# Altium PCB 6S_SERVO_MODULE.PcbDoc (part 2 of 2)
Units mm, origin at the board's own origin, x right, y up, seen from the top; angles counter-clockwise.
Board outline 69.5 x 39 mm, 4 copper layers (L01_SIG, L02_GND, L03_SIG, L04_GND), stack 0.603 mm thick; 92 components, 60 nets, 311 pads, 423 vias.
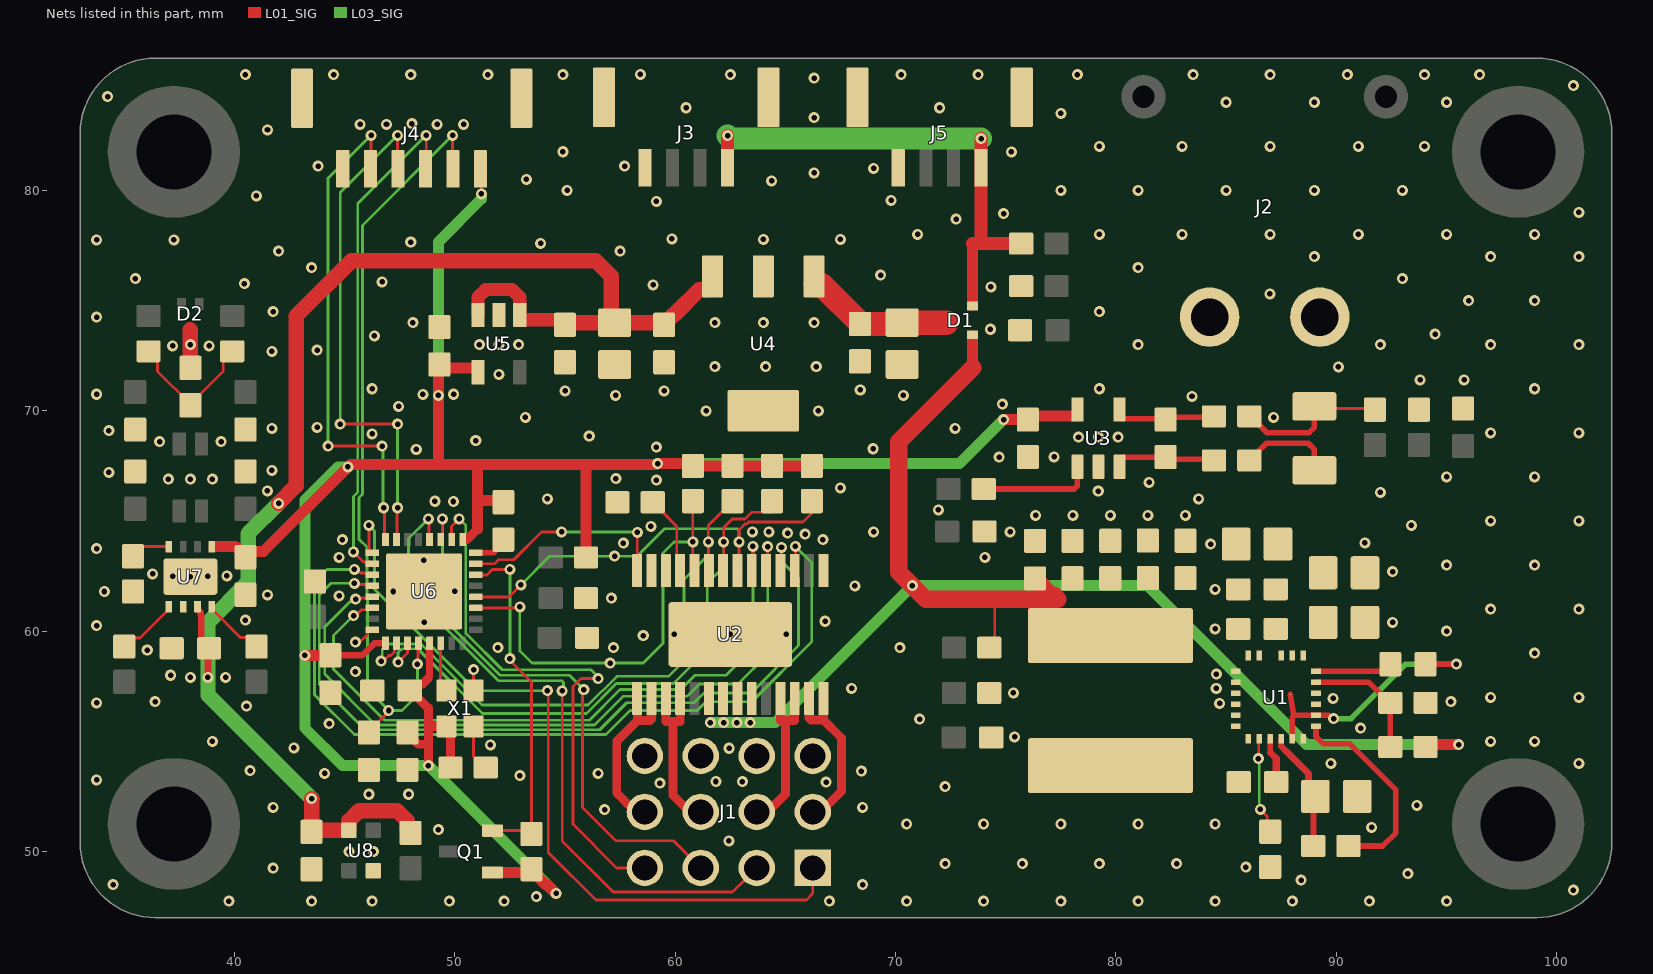
[diagram p4: the nets of this part, all layers, seen from the top]

## Via types
v1: diameter 0.5, hole 0.25, L01_SIG to L04_GND, tented both sides, 423 vias

## Nets (pads, with @x,y where several pads share a name; then routed paths per layer and width w, separated by ;. In a path a pad name is that pad's centre, name@x,y a point inside that pad or via, vN(x,y) a via of type N, cw(c..) or ccw(c..) an arc to the next point about the centre after c; other vN are vias at no path point) (continued)
GND: C2.1 C3.1 C4.1 C5.1 C6.1 C7.1 C8.1 C10.1 C11.1 C12.1 C13.1 C14.1 C15.1 C16.1 C17.1 C18.1 C19.1 C20.1 C21.1 C22.1 C23.1 C24.1 C25.1 C26.1 C27.1 C28.1 C29.1 C30.1 C31.1 C32.1 C33.1 C34.1 C35.1 C36.1 C37.1 C38.1 D2.3 J1.3 J1.6 J1.9 J1.12 J2.2 J3.4 J3.5 J3.6 J4.6 J4.7 J4.8 J5.4 J5.5 J5.6 R7.1 R14.1 R15.1 R16.1 R20.1 R21.1 R22.1 R27.1 R28.1 U1.3 U1.4 U1.12 U1.13 U1.14 U1.15 U1.23 U2.1 U2.12 U2.13 U2.29 U3.2 U4.2 U4.4 U5.2 U6.16 U6.32 U6.33 U7.2 U7.9 U8.2 X1.2 | length 5.4
  L01_SIG w0.127: v1(45.492,59.5) 45.564,59.571 45.769,59.571 46.025,59.827 46.025,59.969 46.111,60.056 U6.32@46.253,60.056 ; v1(50.85,58.25) 50.85,57.309 X1.2@50.853,57.306
  L01_SIG w0.254: U6.16@50.953,63.556 51.749,63.556 52.3,64.106 C29.1@52.3,64.15
  L01_SIG w0.7: C34.1@38,71.95 v1(38,73) 38,73.675
  other v1: 39.75,47.75 43.5,47.75 46.25,47.75 49.75,47.75 52.241,47.751 67,47.75 70.5,47.75 74,47.75 77.5,47.75 81,47.75 84.5,47.75 88,47.75 91.5,47.75 95,47.75 53.7,47.95 100.75,48.25 34.5,48.5 68.5,48.5 88.4,48.7 93.25,49 41.75,49.25 85.897,49.294 72.25,49.45 75.75,49.45 79.25,49.45 82.75,49.45 45.2,50 46.3,50 62.439,50.486 49.25,51 91.6,51.1 70.5,51.25 74,51.25 77.5,51.25 81,51.25 84.5,51.25 56.8,51.9 41.75,52 68.5,52 93.65,52.1 46.1,52.6 47.9,52.6 72.25,52.95 59.3,53.1 63.045,53.169 66.85,53.15 61.849,53.178 33.75,53.25 52.95,53.45 44.095,53.55 56.5,53.55 68.45,53.65 40.713,53.671 89.75,54 101,54 62.449,54.687 42.7,54.7 51.617,54.839 39,55 97,55 99,55 75.4,55.2 91.1,55.6 44.3,55.8 71.096,56.007 40.547,56.603 84.7,56.721 33.75,56.75 36.4,56.8 95.2,56.8 89.85,56.95 97,57 101,57 75.35,57.2 68,57.4 84.55,57.4 38,57.9 39.6,57.9 37.1,58 84.555,58.055 45.492,58.163 99,59 36.044,59.142 51.95,59.25 57.2,59.25 70.2,59.25 58.55,59.8 59.954,59.85 62.501,59.85 65.048,59.85 95,60 84.5,60.1 33.75,60.25 48.609,60.402 92.55,60.4 66.8,60.45 40.5,60.5 97,61 101,61 57.1,61.5 44.75,61.6 41.5,61.65 34.1,61.8 47.2,61.8 50.006,61.811 84.5,61.9 68.15,62.05 38,62.475 37.2,62.5 38.8,62.5 39.66,62.505 36.29,62.604 92.55,62.7 95,63 99,63 48.598,63.209 44.75,63.35 74.047,63.344 33.75,63.75 84.3,63.95 57.65,64 91.296,64.007 44.9,64.15 66.7,64.15 65.9,64.4 65.1,64.45 63.5,64.5 64.25,64.5 69,64.5 75.2,64.5 58.9,64.75 93.4,64.8 97,65 101,65 76.35,65.25 78.05,65.25 79.75,65.25 81.45,65.25 83.15,65.25 71.946,65.507 49.091,65.895 49.934,65.883 54.2,66 83.75,66 92,66.3 79.196,66.357 41.489,66.364 67.5,66.5 81.5,66.75 59.15,66.85 37,66.9 38,66.9 39,66.9 57.31,66.924 95,67 99,67 34.3,67.2 41.7,67.3 74.7,67.9 77.196,67.907 48.25,68.25 68.98,68.277 59.15,68.35 36.6,68.6 39.4,68.6 50.95,68.65 78.3,68.8 79.2,68.8 80.1,68.8 56.1,68.85 46.25,68.95 97,69 101,69 34.3,69.1 41.7,69.2 72.7,69.2 43.75,69.25 53.2,69.7 87.15,69.7 61.4,70 66.5,70 47.45,70.2 74.85,70.3 83.45,70.65 57.3,70.7 70.35,70.7 33.75,70.75 48.547,70.744 49.95,70.75 55,70.9 59.5,70.9 68.397,70.944 46.25,71 79.25,71 99,71 93.8,71.4 95.8,71.4 52,71.65 90.097,71.994 61.8,72 64.1,72 66.4,72 41.7,72.7 43.75,72.75 37.197,72.944 38.85,72.95 51.115,73 52,73 52.9,73 81,73 92,73 97,73 101,73 46.35,73.4 94.481,73.473 74.3,73.7 48.1,74 61.8,74 64,74 66.3,74 33.75,74.25 41.75,74.5 79.25,74.5 96,75 99,75 86.987,75.305 74.32,75.618 59,75.717 40.45,75.77 46.7,75.85 35.5,76 93,76 69.325,76.16 43.5,76.5 81,76.5 89,77 97,77 101,77 42,77.25 57.5,77.25 53.897,77.594 48,77.65 33.75,77.75 37.25,77.75 64,77.781 67.5,77.781 59.85,77.8 71,78 79.25,78 83,78 87,78 91,78 95,78 99,78 72.75,78.7 74.9,78.95 101,79 59.15,79.5 69.8,79.55 41,79.75 55.1,80 77.5,80 81,80 85,80 89,80 93,80 64.378,80.435 53.25,80.5 66.3,80.8 69,81 43.8,81.1 57.7,81.1 54.899,81.754 75.25,81.75 79.25,82 83,82 87,82 91,82 94,82 41.5,82.75 45.7,83 46.9,83 49.2,83 50.4,83 48.053,83.027 66.3,83.3 77.5,83.5 60.5,83.75 72,83.75 85,84 89,84 95,84 34.25,84.25 100.75,84.75 66.3,85.1 40.5,85.25 44.5,85.25 48,85.25 51.5,85.25 54.899,85.254 62.5,85.25 70.25,85.25 73.75,85.25 78.25,85.25 83.5,85.25 87,85.25 90.5,85.25 94,85.25 96.5,85.25 58.415,85.262
HSE_8MHZ: U6.6 X1.3 | length 2.3
  L01_SIG w0.127: U6.6@49.353,59.456 49.353,57.581 X1.3@49.628,57.306
NEOPIXEL: Q1.S R30.1 U6.14 | length 15.9
  L01_SIG w0.127: U6.14@50.953,62.556 50.956,62.553 51.453,62.553 51.7,62.8 v1(52.5,62.8) ; Q1.S@51.7,50.95 53.375,50.95 R30.1@53.475,50.85 ; v1(52.5,58.75) 52.5,58.674 53.475,57.699 R30.1@53.475,50.8
  L03_SIG w0.127: v1(52.5,58.75) v1(52.5,62.8)
NetC9_1: C9.1 R4.1 U3.4 | length 4.7
  L01_SIG w0.254: U3.4@80.155,70.063 80.155,69.794 80.303,69.646 82.204,69.646 C9.1@82.25,69.6 82.35,69.7 84.4,69.7 R4.1@84.45,69.75
NetC9_2: C9.2 R5.1 U3.3 | length 4.7
  L01_SIG w0.254: U3.3@80.155,67.463 80.155,67.737 80.303,67.885 C9.2@82.235,67.885 ; C9.2@82.25,67.9 82.35,67.8 84.4,67.8 R5.1@84.45,67.75
NetC34_2: C34.2 R25.1 R26.1 | length 6.4
  L01_SIG w0.127: R26.1@36.1,72.7 36.511,72.289 36.511,71.789 38,70.3 39.488,71.788 39.488,72.289 R25.1@39.9,72.7
NetR9_1: R9.1 U3.1 | length 5.2
  L01_SIG w0.254: R9.1@74,66.45 78.1,66.45 78.25,66.6 78.25,67.458 U3.1@78.255,67.463
NetR16_2: R16.2 U2.11 | length 3.6
  L01_SIG w0.127: R16.2@58.977,65.85 59.02,65.85 59.456,65.414 59.456,65.371 60.069,64.757 60.069,62.906 U2.11@60.225,62.75
NetR27_2: R27.2 U7.8 | length 1.8
  L01_SIG w0.127: R27.2@35.4,63.4 R27.2@35.4,63.4 35.836,63.837 U7.8@37.025,63.837
NetR29_1: R29.1 X1.1 | length 2.1
  L01_SIG w0.127: X1.1@50.853,55.681 50.853,54.312 51.359,53.806 R29.1@51.403,53.806
NRST: C35.2 J4.2 U6.4 | length 35.2
  L01_SIG w0.127: C35.2@46.103,55.406 46.103,55.462 47,56.359 v1(47,56.4) ; v1(48.3,58.5) 48.327,58.527 48.327,59.429 U6.4@48.353,59.456 ; v1(49.9,82.5) 49.9,81.097 J4.2@49.918,81.079
  L03_SIG w0.127: v1(48.3,58.5) 48.3,57.1 47.6,56.4 v1(47,56.4) 46.043,57.357 46.043,61.674 46.008,61.708 46.008,63.82 45.657,64.17 45.657,66.059 45.808,66.21 45.808,68.766 45.807,68.767 45.807,78.407 v1(49.9,82.5)
PWM_1: J1.10 U6.18 | length 24.9
  L01_SIG w0.127: U6.18@49.853,64.156 49.853,64.753 v1(50.2,65.1) ; v1(56.5,57.85) 55.724,57.85 55.357,57.483 55.357,51.243 57.34,49.26 J1.10@58.62,49.26
  L03_SIG w0.127: v1(50.2,65.1) 50.5,64.8 50.5,59.9 52.15,58.25 56.187,58.25 56.5,57.937 v1(56.5,57.85)
PWM_2: J1.7 U6.19 | length 25.1
  L01_SIG w0.127: U6.19@49.353,64.156 49.431,64.233 49.431,65.09 v1(49.44,65.1) ; v1(55.85,57.35) 55.8,57.3 55.8,52 57.315,50.485 59.935,50.485 J1.7@61.16,49.26
  L03_SIG w0.127: v1(49.44,65.1) 49.44,60.61 52.05,58 55.2,58 v1(55.85,57.35)
PWM_3: J1.4 U6.20 | length 30.6
  L01_SIG w0.127: v1(48.8,65.1) 48.83,65.07 48.83,64.179 U6.20@48.853,64.156 ; v1(54.87,57.289) 54.87,50.48 57.19,48.16 62.6,48.16 63.202,48.762 63.698,48.762 J1.4@63.7,48.76
  L03_SIG w0.127: v1(48.8,65.1) 47.9,64.2 47.9,61.826 51.976,57.75 54.854,57.75 54.928,57.676 54.928,57.347 v1(54.87,57.289)
PWM_4: J1.1 U6.25 | length 35.6
  L01_SIG w0.127: v1(46.1,64.8) 46.1,63.642 46.186,63.556 U6.25@46.253,63.556 ; v1(54.2,57.3) 54.238,57.262 54.238,49.962 56.4,47.8 65.95,47.8 66.24,48.09 J1.1@66.24,49.26
  L03_SIG w0.127: v1(46.1,64.8) 46.1,64.789 46.35,64.539 46.35,61.9 50.95,57.3 v1(54.2,57.3)
PWR_3V3: C7.2 C21.2 C26.2 C27.2 C28.2 C29.2 C37.2 J4.1 Q1.G R10.2 R11.2 R12.2 R13.2 R18.2 R29.2 R30.2 U3.5 U5.4 U6.1 U6.5 U6.17 U7.5 X1.4 | length 120.6
  L01_SIG w0.127: v1(51.2,79.843) J4.1@51.2,81.047
  L01_SIG w0.3: C28.2@44.348,58.9 C28.2@44.353,58.906 45.806,58.906 46.356,59.456 U6.1@46.853,59.456 ; 48.778,57.853 48.828,57.903 48.828,57.924 48.853,57.949 U6.5@48.853,59.456
  L01_SIG w0.4: C37.2@47.853,55.406 47.853,55.362 48.344,54.871 48.793,54.871 48.798,54.877 ; C27.2@47.953,57.306 48.253,57.606 48.544,57.606 48.778,57.84 48.778,57.853 ; C27.2@48.003,57.306 48.8,56.509 48.8,55.626 ; v1(48.8,53.9) 48.8,55.626 ; X1.4@49.499,55.501 49.803,55.197 R29.2@49.803,53.806 ; X1.4@49.628,55.681 48.855,55.681 48.8,55.626 ; U6.17@50.419,64.156 50.546,64.156 51.023,64.632
  L01_SIG w0.5: U7.5@39.08,63.837 40.057,63.837 40.5,63.394 C26.2@40.5,63.35 40.5,63.358 40.75,63.608 41.308,63.608 v1(45.15,67.45) 45.269,67.569 49.25,67.569 ; v1(43.192,58.9) C28.2@44.348,58.9 ; C21.2@49.25,71.75 v1(49.25,70.7) 49.25,67.569 ; C21.2@49.3,72.1 49.454,71.946 51,71.946 51.05,71.896 U5.4@51.05,71.75 ; 51.023,64.632 51.023,65.922 ; Q1.G@51.7,49.05 53.325,49.05 R30.2@53.475,49.2 53.475,49.15 54.137,48.488 54.212,48.488 v1(54.6,48.1) ; C29.2@52.3,65.85 52.228,65.922 51.023,65.922 ; R18.2@55.95,63.35 55.95,67.569 ; R10.2@60.364,67.6 v1(59.2,67.6) 59.169,67.569 55.95,67.569 ; R10.2@60.8,67.5 R11.2@62.6,67.5 R12.2@64.4,67.5 R13.2@66.2,67.5 ; v1(74.9,69.6) C7.2@76,69.6 76.169,69.769 78.23,69.769 78.255,69.794 U3.5@78.255,70.063 ; 49.25,67.569 51.023,67.569 ; 51.023,65.922 51.023,67.569 ; 51.023,67.569 55.95,67.569
  L03_SIG w0.5: v1(45.15,67.45) 44.7,67.45 43.2,65.95 43.2,58.908 v1(43.192,58.9) 43.192,55.608 44.9,53.9 v1(48.8,53.9) v1(54.6,48.1) ; v1(49.25,70.7) 49.25,77.65 51.2,79.6 v1(51.2,79.843) ; v1(59.2,67.6) 72.9,67.6 v1(74.9,69.6)
PWR_5V: C18.2 C19.2 C20.2 C25.2 C36.2 R31.2 U4.3 U5.1 U5.3 U7.3 U8.4 | length 68.2
  L01_SIG w0.3: U7.3@38.325,61.113 38.325,61.001 38.475,60.851 38.475,60.719 38.5,60.694 38.5,59.575 C25.2@38.85,59.225 38.8,59.175 v1(38.8,57.9) ; C36.2@43.5,50.899 C36.2@43.56,50.959 ; C19.2@57.1,74.15 C19.2@57.25,74
  L01_SIG w0.6: U5.3@51.05,74.35 51.05,75.149 51.401,75.5 52.599,75.5 52.95,75.149 52.95,74.135 54.8,74.135 55,73.935 C20.2@55,73.9
  L01_SIG w0.7: v1(42,65.8) 42.8,66.6 42.8,74.3 45.3,76.8 56.4,76.8 57.1,76.1 C19.2@57.1,74.15 ; C36.2@43.5,50.899 v1(43.5,52.4) ; C36.2@43.56,50.959 U8.4@45.195,50.959 45.195,51.39 45.664,51.859 47.376,51.859 47.845,51.39 47.845,50.994 R31.2@47.995,50.844 ; C20.2@55,73.9 55.1,74 C19.2@57.25,74 59.4,74 C18.2@59.5,73.9 59.5,73.944 59.936,74.379 59.979,74.379 61.1,75.5 61.575,75.5 61.7,75.625 U4.3@61.7,76.1
  L03_SIG w0.7: v1(42,65.8) 40.625,64.425 40.625,62.225 38.8,60.4 v1(38.8,57.9) 38.8,57.1 v1(43.5,52.4)
PWR_6V: C11.2 C12.2 C13.2 C14.2 C15.2 D1.1 L1.2 R6.2 R17.2 U2.20 U2.21 U2.22 U2.23 | length 68.1
  L01_SIG w0.127: R17.2@74.5,59.7 74.5,61.358 74.596,61.453
  L01_SIG w0.5: 73.498,71.948 D1.1@73.498,73.384 ; R6.2@94.1,54.75 94.2,54.85 v1(95.55,54.85)
  L01_SIG w0.8: 73.498,71.948 70.15,68.6 70.15,62.677 71.374,61.453 74.596,61.453 77.347,61.453 77.177,61.623 77.047,61.623 76.325,62.345 C15.2@76.325,62.395 ; L1.2@76.4,60.984 76.4,60.65 77.25,59.8 L1.2@79.75,59.8
  L03_SIG w0.5: v1(61.6,55.85) v1(62.2,55.85) v1(62.8,55.85) v1(63.4,55.85) 64.547,55.85 v1(70.762,62.065) 81.435,62.065 88.65,54.85 v1(95.55,54.85)
PWR_6V_DIODE_OUT: C17.2 C38.2 D1.3 U4.1 | length 6.6
  L01_SIG w1.1: U4.1@66.375,75.7 66.661,75.7 C17.2@68.382,73.979 ; C17.2@68.382,73.944 C38.2@70.244,73.944 ; C38.2@70.3,74 72.3,74
SWCLK: J4.5 U6.24 | length 23.1
  L01_SIG w0.127: v1(44.25,68.4) v1(46.7,68.4) ; J4.5@46.168,81.079 46.2,81.111 v1(46.2,82.5) ; v1(46.771,65.6) 46.812,65.559 46.812,64.197 U6.24@46.853,64.156
  L03_SIG w0.127: v1(44.25,68.4) 44.25,80.55 v1(46.2,82.5) ; v1(46.7,68.4) 46.735,68.365 46.735,65.635 v1(46.771,65.6)
SWDIO: J4.4 U6.23 | length 23.5
  L01_SIG w0.127: v1(44.8,69.4) v1(47.4,69.4) ; U6.23@47.353,64.156 47.377,64.179 47.377,65.577 v1(47.4,65.6) ; v1(47.4,82.5) 47.4,81.097 J4.4@47.418,81.079
  L03_SIG w0.127: v1(44.8,69.4) 44.8,79.9 v1(47.4,82.5) ; v1(47.4,65.6) v1(47.4,69.4)
SWO: J4.3 U6.26 | length 22.8
  L01_SIG w0.127: v1(45.4,63.6) 45.4,63.595 45.853,63.142 46.167,63.142 U6.26@46.253,63.056 ; J4.3@48.668,81.079 48.7,81.111 v1(48.7,82.5)
  L03_SIG w0.127: v1(45.4,63.6) 45.4,66.107 45.593,66.3 45.593,68.676 45.592,68.677 45.592,79.392 v1(48.7,82.5)
TJA1051_RX: R24.1 U7.4 | length 2.8
  L01_SIG w0.127: U7.4@38.975,61.113 38.975,61.001 40.264,59.711 40.588,59.711 R24.1@41,59.3
TJA1051_TX: R23.1 U7.1 | length 2.9
  L01_SIG w0.127: R23.1@35,59.275 35.412,59.686 35.712,59.686 37.025,61 U7.1@37.025,61.113
U1_BST: C1.2 U1.20 | length 2
  L01_SIG w0.25: 87,54.496 U1.20@87,55.12
  L01_SIG w0.3: 87,54.496 87.282,54.215
  L01_SIG w0.34: C1.2@87.25,53.2 87.282,53.232 87.282,54.215
U1_FB: R6.1 R15.2 U1.5 | length 5.8
  L01_SIG w0.254: U1.5@89.075,57.69 91.46,57.69 92.4,56.75 R15.2@92.45,56.75 R6.1@92.45,54.75
U1_IN4: U2.6 U6.30 | length 30.7
  L01_SIG w0.127: v1(45.408,60.708) 45.508,60.708 45.769,60.969 46.167,60.969 U6.30@46.253,61.056 ; v1(63.524,63.849) 63.524,62.885 U2.6@63.529,62.881
  L03_SIG w0.127: v1(45.408,60.708) 44.5,59.8 44.5,58.274 46.817,55.957 56.107,55.957 57.5,57.35 60.25,57.35 60.9,58 62.3,58 63.529,59.229 63.529,63.844 v1(63.524,63.849)
U1_OSC: R14.2 U1.19 | length 4.5
  L01_SIG w0.127: v1(86.461,54.221) 86.481,54.24 86.481,55.101 U1.19@86.5,55.12 ; v1(86.55,51.91) 86.861,51.599 86.861,51.039 R14.2@87,50.9
  L03_SIG w0.127: v1(86.461,54.221) 86.506,54.177 86.506,51.955 v1(86.55,51.91)
U1_PG: R8.1 U1.1 | length 9.4
  L01_SIG w0.254: U1.1@89.075,55.69 89.075,55.225 89.4,54.9 90.6,54.9 92.7,52.8 92.7,50.85 92.1,50.25 R8.1@90.55,50.25
U1_SW: C1.1 L1.1 U1.10 U1.11 U1.16 U1.17 U1.18
U1_TON: R2.1 U1.6 | length 3.5
  L01_SIG w0.254: U1.6@89.075,58.19 92.14,58.19 R2.1@92.45,58.5
U1_VCC: C10.2 R8.2 U1.21 | length 5.6
  L01_SIG w0.254: 87.499,54.776 87.499,54.926 U1.21@87.499,55.119 ; R8.2@88.95,50.25 88.961,50.261 88.961,52.411 C10.2@89.05,52.5
  L01_SIG w0.3: 87.499,54.776 87.73,54.545 ; C10.2@88.751,52.799 C10.2@89.05,52.5
  L01_SIG w0.32: 87.73,54.545 88.733,53.543 88.733,52.817 C10.2@88.751,52.799
U2_EN: U2.14 U6.15 | length 9.5
  L01_SIG w0.127: U6.15@50.953,63.056 51.794,63.056 51.981,63.242 52.671,63.242 53.929,64.5 v1(54.85,64.5) ; U2.14@58.275,62.894 58.279,62.899 v1(58.279,64.487)
  L03_SIG w0.127: v1(54.85,64.5) 54.857,64.493 58.273,64.493 v1(58.279,64.487)
U2_IN1: U2.3 U6.27 | length 39.2
  L01_SIG w0.127: v1(45.442,62.8) 45.569,62.8 45.727,62.642 46.167,62.642 U6.27@46.253,62.556 ; U2.3@65.425,62.4 65.458,62.433 v1@65.458,63.8
  L03_SIG w0.127: v1(45.442,62.8) 44.2,62.8 43.634,62.234 43.634,57.116 45.44,55.31 56.86,55.31 57.95,56.4 61,56.4 61.4,56.8 63.476,56.8 66.2,59.524 66.2,63.1 v1(65.45,63.85)
U2_IN2: U2.4 U6.28 | length 37
  L01_SIG w0.127: v1(45.442,62.171) 45.499,62.113 46.195,62.113 U6.28@46.253,62.056 ; v1(64.823,63.798) 64.823,62.46 U2.4@64.827,62.456
  L03_SIG w0.127: v1(45.442,62.171) 44.371,62.171 43.85,61.65 43.85,57.6 45.924,55.526 56.576,55.526 57.8,56.75 60.85,56.75 61.3,57.2 63.45,57.2 65.6,59.35 65.6,62.4 64.827,63.173 64.827,63.795 v1(64.823,63.798)
U2_IN3: U2.5 U6.29 | length 33.3
  L01_SIG w0.127: v1(45.5,61.45) 45.553,61.503 46.2,61.503 U6.29@46.253,61.556 ; U2.5@63.964,62.806 64.2,63.043 64.152,63.091 64.199,63.138 64.195,63.142 v1(64.195,63.831)
  L03_SIG w0.127: v1(45.5,61.45) 45.399,61.45 45.286,61.337 45.244,61.337 44.1,60.193 44.1,58.05 46.408,55.742 56.342,55.742 57.65,57.05 60.55,57.05 61.1,57.6 62.85,57.6 64.2,58.95 64.2,63.826 v1(64.195,63.831)
U2_STATUS_CH1: R13.1 U2.7 U6.12 | length 19.4
  L01_SIG w0.127: U6.12@50.953,61.556 52.456,61.556 v1(53,62.1) ; v1(62.9,64.05) 62.909,64.059 62.909,64.609 63.171,64.871 63.255,64.871 63.334,64.95 65.794,64.95 66.2,65.356 R13.1@66.2,65.4 ; U2.7@62.987,62.62 62.9,62.706 62.9,63.8 v1@63.025,63.925
  L03_SIG w0.127: v1(53,62.1) 54.3,63.4 v1(57.25,63.4) 58.27,63.4 59.52,64.65 62.826,64.65 62.9,64.576 v1(62.9,64.05)
U2_STATUS_CH2: R12.1 U2.8 U6.3 | length 27.9
  L01_SIG w0.127: v1(47.428,58.591) 47.853,59.016 U6.3@47.853,59.456 ; U2.8@62.175,62.4 62.2,62.425 62.2,63.8 v1@62.325,63.925 ; v1(62.2,64.05) 62.2,64.7 62.586,65.086 63.165,65.086 63.479,65.4 R12.1@64.4,65.4
  L03_SIG w0.127: v1(47.428,58.591) 47.428,59.028 47.6,59.2 48.32,59.2 51.254,56.266 55.973,56.266 57.326,57.619 59.919,57.619 61.45,59.15 61.45,62.164 62.2,62.914 v1(62.2,64.05)
U2_STATUS_CH3: R11.1 U2.9 U6.2 | length 27.3
  L01_SIG w0.127: v1(46.654,58.643) 46.755,58.643 47.005,58.892 47.104,58.892 47.267,59.055 47.267,59.369 U6.2@47.353,59.456 ; v1(61.5,64.05) 61.5,64.8 62.121,65.421 62.164,65.421 62.6,65.856 R11.1@62.6,65.9 ; U2.9@61.525,62.4 61.5,62.425 61.5,63.8 v1@61.625,63.925
  L03_SIG w0.127: v1(46.654,58.643) 46.71,58.698 46.71,59.164 46.962,59.416 48.473,59.416 51.239,56.65 56.052,56.65 57.352,57.95 59.7,57.95 60.4,58.65 60.4,62.35 61.5,63.45 v1(61.5,64.05)
U2_STATUS_CH4: R10.1 U2.10 U6.11 | length 19.8
  L01_SIG w0.127: U6.11@50.953,61.056 50.955,61.057 52.907,61.057 v1(52.95,61.1) ; R10.1@60.8,65.4 v1(60.8,64.05) 60.8,62.475 U2.10@60.875,62.4
  L03_SIG w0.127: v1(52.95,61.1) 52.95,59.1 53.5,58.55 v1(57.05,58.55) 58.55,58.55 59.45,59.45 59.45,63.55 59.95,64.05 v1(60.8,64.05)
VBATT: J2.1 R1.1 R3.2 R4.2 | length 7.2
  L01_SIG w0.127: R1.1@89,70.2 89.098,70.102 91.698,70.102 R3.2@91.75,70.05
  L01_SIG w0.254: J2.1@84.25,74.25 J2.1@84.332,74.168 ; R4.2@86.05,69.75 86.1,69.75 86.842,69.008 88.758,69.008 89,69.25 R1.1@89,70.2
VBATT_SENSE: C2.2 C3.2 C4.2 C5.2 C6.2 R1.2 R2.2 R5.2 U1.2 U1.7 U1.8 U1.9 U1.22 | length 16.2
  L01_SIG w0.254: R5.2@86.05,67.75 86.1,67.75 86.473,68.123 86.473,68.173 86.825,68.525 88.725,68.525 89,68.25 R1.2@89,67.3 ; U1.7@87.915,57.125 88.073,56.19 U1.2@89.075,56.19 89.077,56.188 89.65,56.188 89.804,56.033 v1(89.871,56.033) ; U1.22@88,55.12 88,56.076 88.068,56.143 ; R2.2@94.05,58.5 v1(95.45,58.5)
  L03_SIG w0.254: v1(89.871,56.033) 90.664,56.033 93.13,58.5 v1(95.45,58.5)
VIN_5V: D1.2 J3.1 J5.1 R19.2 | length 22.7
  L01_SIG w0.5: D1.2@73.5,74.796 73.5,77.587
  L01_SIG w0.6: J3.1@62.375,81.024 62.375,82.479 v1(62.377,82.481) ; 73.5,77.587 73.869,77.587 ; J5.1@73.875,81.019 73.875,80.316 73.869,80.311 73.869,77.587 ; J5.1@73.875,81.024 73.875,82.341 v1(73.883,82.348) ; R19.2@75.65,77.587 73.869,77.587
  L03_SIG w1: v1(62.377,82.481) 62.51,82.348 v1(73.883,82.348)
VOUT_S1: J1.2 U2.27 U2.28 | length 7.4
  L01_SIG w0.4: U2.27@66.075,56.6 66.075,56.049 66.149,55.974 66.725,55.974 ; J1.2@66.24,51.3 66.24,51.44 67.544,52.744 67.544,55.155 66.725,55.974 ; U2.28@66.725,56.6 66.725,55.974
VOUT_S2: J1.5 U2.25 U2.26 | length 7.6
  L01_SIG w0.4: J1.5@63.7,51.3 65,52.6 65,55.95 ; U2.25@64.775,57 64.775,55.95 65,55.95 ; U2.26@65.425,56.65 65.425,55.95 65,55.95
VOUT_S3: J1.8 U2.17 U2.18 | length 7.2
  L01_SIG w0.4: U2.17@59.575,56.95 59.575,55.9 59.9,55.9 ; U2.18@60.225,56.6 60.225,55.9 59.9,55.9 ; J1.8@60.93,51.53 59.9,52.56 59.9,55.9
VOUT_S4: J1.11 U2.15 U2.16 | length 7.2
  L01_SIG w0.4: U2.15@58.275,56.6 58.275,55.94 ; J1.11@58.62,51.8 58.208,51.8 57.826,52.181 57.819,52.181 57.345,52.655 57.345,55.01 58.275,55.94 ; U2.16@58.925,56.6 58.925,56.014 58.851,55.94 58.275,55.94
pads on no net: J2.MH0 J2.MH1 MH1.1 MH2.1 MH3.1 MH4.1 U2.2 U2.19 U2.24 U5.5 U8.1
copper on no net:
  other v1: 37.25,48.9 98.25,48.9 35.55,49.6 38.85,49.6 96.55,49.6 99.85,49.6 34.9,51.25 39.6,51.25 95.9,51.25 100.6,51.25 35.55,52.9 38.85,52.9 96.55,52.9 99.85,52.9 37.25,53.6 98.25,53.6 37.25,79.4 98.25,79.4 35.55,80.1 38.85,80.1 96.55,80.1 99.85,80.1 34.9,81.75 39.6,81.75 95.9,81.75 100.6,81.75 35.55,83.4 38.85,83.4 96.55,83.4 99.85,83.4 37.25,84.1 98.25,84.1

## Polygon pours and split planes (outlines as drawn)
GND on L01_SIG "L01_SIG-GND" (solid, remove dead copper, pour order 20): 35.8,46.9 100.6,46.9 102.6,48.9 102.6,84 100.4,86.2 35.1,86.2 32.8,83.9 32.9,83.8 32.9,48.3
VBATT on L01_SIG "VBATT" (solid, pour order 19): 90,69.544 88.056,69.544 86.3,71.3 83.4,71.3 82.5,72.2 82.5,74.95 83.55,76 84.85,76 90,70.85
PWR_6V on L01_SIG "PWR_6V_L01_P017" (solid, pour order 17): 61.3,56.223 63.7,56.223 63.7,55.55 63.35,55.2 61.65,55.2 61.3,55.55
PWR_6V on L01_SIG "NONET_L-01_P-001" (solid, pour order 6): 83.158,58.55 76,58.55 76,61.05 75.825,61.225 75.825,62.881 75.901,62.957 83.592,62.957 83.657,62.892 83.657,61.207 83.5,61.05 83.5,58.549
U1_SW on L01_SIG "L01_SIG-U1_SW" (solid, pour order 14): 76,55.148 76,52.65 86.125,52.65 86.125,54.834 86.125,55.565 86.135,55.575 86.88,55.575 86.88,58.674 86.869,58.685 86.861,58.677 86.635,58.677 86.635,59.109 86.629,59.115 85.885,59.115 85.93,56.317 85.654,56.317 85.652,56.315 85.215,56.315 84.048,55.148
VBATT_SENSE on L01_SIG "VBATT_SENSE" (solid, pour order 18): 87.265,58.685 86.7,59.25 86.7,66.567 88.082,67.949 89.93,67.949 90.05,67.829 90.05,59.755 88.967,58.673 88.58,58.673
GND on L02_GND "NONET_L-01_P-001" (solid, remove dead copper, pour order 10): 35.8,46.9 100.6,46.9 102.6,48.9 102.6,84 100.4,86.2 35.1,86.2 32.8,83.9 32.9,83.8 32.9,48.3
GND on L04_GND "NONET_L-01_P-001" (solid, remove dead copper, pour order 11): 35.8,46.9 100.6,46.9 102.6,48.9 102.6,84 100.4,86.2 35.1,86.2 32.8,83.9 32.9,83.8 32.9,48.3
GND on L03_SIG "NONET_L-01_P-001" (solid, remove dead copper, pour order 7): 35.8,46.9 100.6,46.9 102.6,48.9 102.6,84 100.4,86.2 35.1,86.2 32.8,83.9 32.9,83.8 32.9,48.3

## Other copper
L01_SIG:
  pour cut-out: 81.787,62.957 81.889,63.058 81.889,63.557 83.835,63.557 83.841,63.55 83.841,62.957
  pour cut-out: 82.445,62.967 82.344,63.068 82.344,63.567 80.398,63.567 80.391,63.56 80.391,62.967
  pour cut-out: 78.371,62.952 78.473,63.053 78.473,63.552 80.419,63.552 80.425,63.545 80.425,62.952
  pour cut-out: 77.646,62.945 77.545,63.047 77.545,63.545 75.599,63.545 75.592,63.538 75.592,62.945
  pour cut-out: 66.89,66.45 66.888,66.452 66.888,66.95 64.942,66.95 64.935,66.943 64.935,66.45
  pour cut-out: 65.321,66.45 65.319,66.452 65.319,66.95 63.373,66.95 63.367,66.943 63.367,66.45
  pour cut-out: 63.405,66.45 63.403,66.452 63.403,66.95 61.457,66.95 61.45,66.943 61.45,66.45
  pour cut-out: 54.95,59.021 54.952,59.022 55.45,59.022 55.45,60.968 55.443,60.975 54.95,60.975
  pour cut-out: 54.901,61.938 54.903,61.939 55.401,61.939 55.401,63.885 55.395,63.892 54.901,63.892
  pour cut-out: 93.688,55.995 93.567,55.995 92.591,55.995 92.591,55.395 92.752,55.395 93.688,55.395
  pour cut-out: 90.047,59.389 90.742,59.389 90.742,63.59 90.047,63.59
  pour cut-out: 86.619,64.956 86.008,64.956 86.008,59.724 86.602,59.724 86.608,59.718
  pour cut-out: 92.812,57.355 92.933,57.355 93.909,57.355 93.909,57.955 93.748,57.955 92.812,57.955
  pour cut-out: 56.803,57.3 56.923,57.3 57.9,57.3 57.9,57.9 57.739,57.9 56.803,57.9
  pour cut-out: 69.71,72.744 69.831,72.744 70.808,72.744 70.808,73.344 70.646,73.344 69.71,73.344
  pour cut-out: 86.826,51.578 86.826,51.699 86.826,52.676 86.226,52.676 86.226,52.514 86.226,51.578
  pour cut-out: 88.05,51.403 88.05,51.523 88.05,52.5 87.45,52.5 87.45,52.339 87.45,51.403
  pour cut-out: 88.25,49.803 88.25,49.923 88.25,50.9 87.65,50.9 87.65,50.739 87.65,49.803
  pour cut-out: 86.745,52.575 86.745,52.696 86.745,53.673 86.145,53.673 86.145,53.512 86.145,52.575
  pour cut-out: 39.306,58.506 39.427,58.506 40.403,58.506 40.403,59.106 40.242,59.106 39.306,59.106
  pour cut-out: 91.61,55.219 91.489,55.219 90.512,55.219 90.512,54.619 90.674,54.619 91.61,54.619
  pour cut-out: 89.751,55.243 89.63,55.243 88.654,55.243 88.654,54.643 88.815,54.643 89.751,54.643
  pour cut-out: 61.347,67 61.227,67 60.25,67 60.25,66.4 60.411,66.4 61.347,66.4
  pour cut-out: 86.453,49.8 86.573,49.8 87.55,49.8 87.55,50.4 87.389,50.4 86.453,50.4
  pour cut-out: 90.05,49.703 90.05,49.823 90.05,50.8 89.45,50.8 89.45,50.639 89.45,49.703
  pour cut-out: 90.243,51.962 90.243,52.083 90.243,53.06 89.643,53.06 89.643,52.898 89.643,51.962
  pour cut-out: 93.55,54.203 93.55,54.323 93.55,55.3 92.95,55.3 92.95,55.139 92.95,54.203
  pour cut-out: 93.55,56.203 93.55,56.323 93.55,57.3 92.95,57.3 92.95,57.139 92.95,56.203
  pour cut-out: 93.55,57.953 93.55,58.073 93.55,59.05 92.95,59.05 92.95,58.889 92.95,57.953
  pour cut-out: 95.203,68.9 95.323,68.9 96.3,68.9 96.3,69.5 96.139,69.5 95.203,69.5
  pour cut-out: 93.203,68.95 93.323,68.95 94.3,68.95 94.3,69.55 94.139,69.55 93.203,69.55
  pour cut-out: 91.24,68.913 91.361,68.913 92.338,68.913 92.338,69.513 92.176,69.513 91.24,69.513
  pour cut-out: 89.75,68.203 89.75,68.323 89.75,69.3 89.15,69.3 89.15,69.139 89.15,68.203
  pour cut-out: 85.55,67.203 85.55,67.323 85.55,68.3 84.95,68.3 84.95,68.139 84.95,67.203
  pour cut-out: 85.55,69.203 85.55,69.323 85.55,70.3 84.95,70.3 84.95,70.139 84.95,69.203
  pour cut-out: 81.703,68.4 81.823,68.4 82.8,68.4 82.8,69 82.639,69 81.703,69
  pour cut-out: 75.453,68.4 75.573,68.4 76.55,68.4 76.55,69 76.389,69 75.453,69
  pour cut-out: 76.875,73.082 76.875,73.203 76.875,74.18 76.275,74.18 76.275,74.019 76.275,73.082
  pour cut-out: 76.8,75.107 76.8,75.228 76.8,76.205 76.2,76.205 76.2,76.044 76.2,75.107
  pour cut-out: 76.825,77.014 76.825,77.135 76.825,78.112 76.225,78.112 76.225,77.95 76.225,77.014
  pour cut-out: 67.81,72.794 67.931,72.794 68.908,72.794 68.908,73.394 68.746,73.394 67.81,73.394
  pour cut-out: 58.953,72.7 59.073,72.7 60.05,72.7 60.05,73.3 59.889,73.3 58.953,73.3
  pour cut-out: 56.5,72.758 56.824,72.758 58,72.758 58,73.358 57.639,73.358 56.5,73.358
  pour cut-out: 54.453,72.7 54.573,72.7 55.55,72.7 55.55,73.3 55.389,73.3 54.453,73.3
  pour cut-out: 51.753,64.65 51.873,64.65 52.85,64.65 52.85,65.25 52.689,65.25 51.753,65.25
  pour cut-out: 52.953,49.675 53.073,49.675 54.05,49.675 54.05,50.275 53.889,50.275 52.953,50.275
  pour cut-out: 42.948,49.694 43.068,49.694 44.045,49.694 44.045,50.294 43.884,50.294 42.948,50.294
  pour cut-out: 50.881,53.258 50.881,53.379 50.881,54.356 50.281,54.356 50.281,54.194 50.281,53.258
  pour cut-out: 49.081,56.181 49.202,56.181 50.178,56.181 50.178,56.781 50.017,56.781 49.081,56.781
  pour cut-out: 46.488,53.843 46.609,53.843 47.586,53.843 47.586,54.443 47.425,54.443 46.488,54.443
  pour cut-out: 46.316,54.079 46.437,54.079 47.414,54.079 47.414,54.679 47.252,54.679 46.316,54.679
  pour cut-out: 47.306,54.206 47.427,54.206 48.403,54.206 48.403,54.806 48.242,54.806 47.306,54.806
  pour cut-out: 45.556,54.206 45.677,54.206 46.653,54.206 46.653,54.806 46.492,54.806 45.556,54.806
  pour cut-out: 47.353,54.836 47.353,54.957 47.353,55.934 46.753,55.934 46.753,55.772 46.753,54.836
  pour cut-out: 47.453,56.758 47.453,56.879 47.453,57.856 46.853,57.856 46.853,57.694 46.853,56.758
  pour cut-out: 43.806,57.706 43.927,57.706 44.903,57.706 44.903,58.306 44.742,58.306 43.806,58.306
  pour cut-out: 40.453,58.2 40.573,58.2 41.55,58.2 41.55,58.8 41.389,58.8 40.453,58.8
  pour cut-out: 34.453,58.2 34.573,58.2 35.55,58.2 35.55,58.8 35.389,58.8 34.453,58.8
  pour cut-out: 39.953,62.15 40.073,62.15 41.05,62.15 41.05,62.75 40.889,62.75 39.953,62.75
  pour cut-out: 34.853,62.3 34.973,62.3 35.95,62.3 35.95,62.9 35.789,62.9 34.853,62.9
  pour cut-out: 39.953,66.05 40.073,66.05 41.05,66.05 41.05,66.65 40.889,66.65 39.953,66.65
  pour cut-out: 34.953,66.05 35.073,66.05 36.05,66.05 36.05,66.65 35.889,66.65 34.953,66.65
  pour cut-out: 39.891,69.703 40.012,69.703 40.989,69.703 40.989,70.303 40.828,70.303 39.891,70.303
  pour cut-out: 34.998,69.692 35.119,69.692 36.096,69.692 36.096,70.292 35.935,70.292 34.998,70.292
  pour cut-out: 35.553,73.2 35.673,73.2 36.65,73.2 36.65,73.8 36.489,73.8 35.553,73.8
  pour cut-out: 39.353,73.2 39.473,73.2 40.45,73.2 40.45,73.8 40.289,73.8 39.353,73.8
  pour cut-out: 75.794,55.14 75.794,58.54 83.706,58.54 83.706,55.14
L03_SIG:
  pour cut-out: 54.45,63.6 56.25,63.6 56.25,64.2 54.45,64.2
  pour cut-out: 53.55,64.95 53.55,66.75 52.95,66.75 52.95,64.95
  pour cut-out: 45.9,68.3 45.9,66.5 46.5,66.5 46.5,68.3

## Silkscreen, mask and mechanical layers (free items; w line width, h text height)
Top Overlay:
  drawing of 4 lines, arcs and shapes, not listed
  text "+" at 80.754,73.5 h1.52
  text "-" at 91.754,73.492 h1.52
  text "-" at 68.254,53.492 h1.52
  text "+" at 68.254,51 h1.52
  text "S" at 68.254,48.504 h1.52
Bottom Overlay:
  drawing of 126 lines, arcs and shapes, not listed
  text "Meghan Dang              6S Servo Module - F24" at 83.625,79 h1.52
  text "+" at 83.754,76.25 h1.52
  text "-" at 88.754,76.242 h1.52
  text "-" at 69.246,53.492 h1.52
  text "+" at 69.246,51 h1.52
  text "S" at 69.246,48.504 h1.52
M1 Board Outline:
  the board outline again, w0.254
Drill Drawing:
  circle w0.18: c112.973,98.586 r0.333
  lines w0.18: 112.64,92.253 112.973,92.419 113.306,92.253 113.14,92.586 113.306,92.919 112.973,92.753 112.64,92.919 112.806,92.586 112.64,92.253 ; 112.64,93.753 113.306,93.753 113.306,94.419 112.64,94.419 112.64,93.753 ; 112.64,95.419 112.806,95.419 112.973,95.253 113.14,95.419 113.306,95.419 113.14,95.586 113.306,95.753 113.14,95.753 112.973,95.919 112.806,95.753 112.64,95.753 112.806,95.586 112.64,95.419 ; 112.64,97.419 113.306,97.419 112.973,96.753 112.64,97.419
  lines w0.381: 112.017,91.803 219.811,91.803 ; 112.017,99.303 219.811,99.303 ; 117.781,90.303 117.781,100.803 ; 123.94,90.303 123.94,100.803 ; 135.596,90.303 135.596,100.803 ; 140.911,90.303 140.911,100.803 ; 148.505,90.303 148.505,100.803 ; 160.658,90.303 160.658,100.803 ; 166.812,90.303 166.812,100.803 ; 174.526,90.303 174.526,100.803 ; 183.384,90.303 183.384,100.803 ; 192.177,90.303 192.177,100.803 ; 205.769,90.303 205.769,100.803 ; 112.017,90.303 219.811,90.303 219.811,100.803 112.017,100.803 112.017,90.303
  text "Symbol" at 112.917,99.753 h0.72
  text "Count" at 118.231,99.753 h0.72
  text "Hole Size" at 124.39,99.753 h0.72
  text "Plated" at 136.046,99.753 h0.72
  text "Hole Type" at 141.361,99.753 h0.72
  text "Drill Layer Pair" at 148.955,99.753 h0.72
  text "Via/Pad" at 161.108,99.753 h0.72
  text "Pad Shape" at 167.262,99.753 h0.72
  text "Template" at 174.976,99.753 h0.72
  text "Description" at 183.834,99.753 h0.72
  text "Hole Tolerance (+)" at 192.627,99.753 h0.72
  text "Hole Tolerance (-)" at 206.219,99.753 h0.72
  text "2" at 118.231,98.253 h0.6
  text "1.000mm (39.37mil)" at 124.39,98.253 h0.6
  text "PTH" at 136.046,98.253 h0.6
  text "Round" at 141.361,98.253 h0.6
  text "L01_SIG - L04_GND" at 148.955,98.253 h0.6
  text "Pad" at 161.108,98.253 h0.6
  text "Rounded" at 167.262,98.253 h0.6
  text "c200h100m0mx0" at 174.976,98.253 h0.6
  text "2" at 118.231,96.753 h0.6
  text "1.700mm (66.93mil)" at 124.39,96.753 h0.6
  text "PTH" at 136.046,96.753 h0.6
  text "Round" at 141.361,96.753 h0.6
  text "L01_SIG - L04_GND" at 148.955,96.753 h0.6
  text "Pad" at 161.108,96.753 h0.6
  text "Rounded" at 167.262,96.753 h0.6
  text "(Mixed)" at 174.976,96.753 h0.6
  text "4" at 118.231,95.253 h0.6
  text "3.400mm (133.86mil)" at 124.39,95.253 h0.6
  text "PTH" at 136.046,95.253 h0.6
  text "Round" at 141.361,95.253 h0.6
  text "L01_SIG - L04_GND" at 148.955,95.253 h0.6
  text "Pad" at 161.108,95.253 h0.6
  text "Rounded" at 167.262,95.253 h0.6
  text "c600h340m0mx0" at 174.976,95.253 h0.6
  text "12" at 118.231,93.753 h0.6
  text "1.143mm (45.00mil)" at 124.39,93.753 h0.6
  text "PTH" at 136.046,93.753 h0.6
  text "Round" at 141.361,93.753 h0.6
  text "L01_SIG - L04_GND" at 148.955,93.753 h0.6
  text "Pad" at 161.108,93.753 h0.6
  text "Rounded" at 167.262,93.753 h0.6
  text "(Mixed)" at 174.976,93.753 h0.6
  text "422" at 118.231,92.253 h0.6
  text "0.250mm (9.84mil)" at 124.39,92.253 h0.6
  text "PTH" at 136.046,92.253 h0.6
  text "Round" at 141.361,92.253 h0.6
  text "L01_SIG - L04_GND" at 148.955,92.253 h0.6
  text "Via" at 161.108,92.253 h0.6
  text "Rounded" at 167.262,92.253 h0.6
  text "(Mixed)" at 174.976,92.253 h0.6
  text "0.100mm (3.94mil)" at 192.627,92.253 h0.6
  text "0.100mm (3.94mil)" at 206.219,92.253 h0.6
  text "442 Total" at 118.231,90.753 h0.6